# Altium PCB RFAutoMaTE ASCII.PcbDoc (part 1 of 2)
Units mm, origin at the board's own origin, x right, y up, seen from the top; angles counter-clockwise.
Board outline 96.9 x 242.82 mm, 2 copper layers (Top Layer, Bottom Layer); 213 components, 21 nets, 545 pads, 10 vias.
Unrouted connection lines stored in the file: 16.
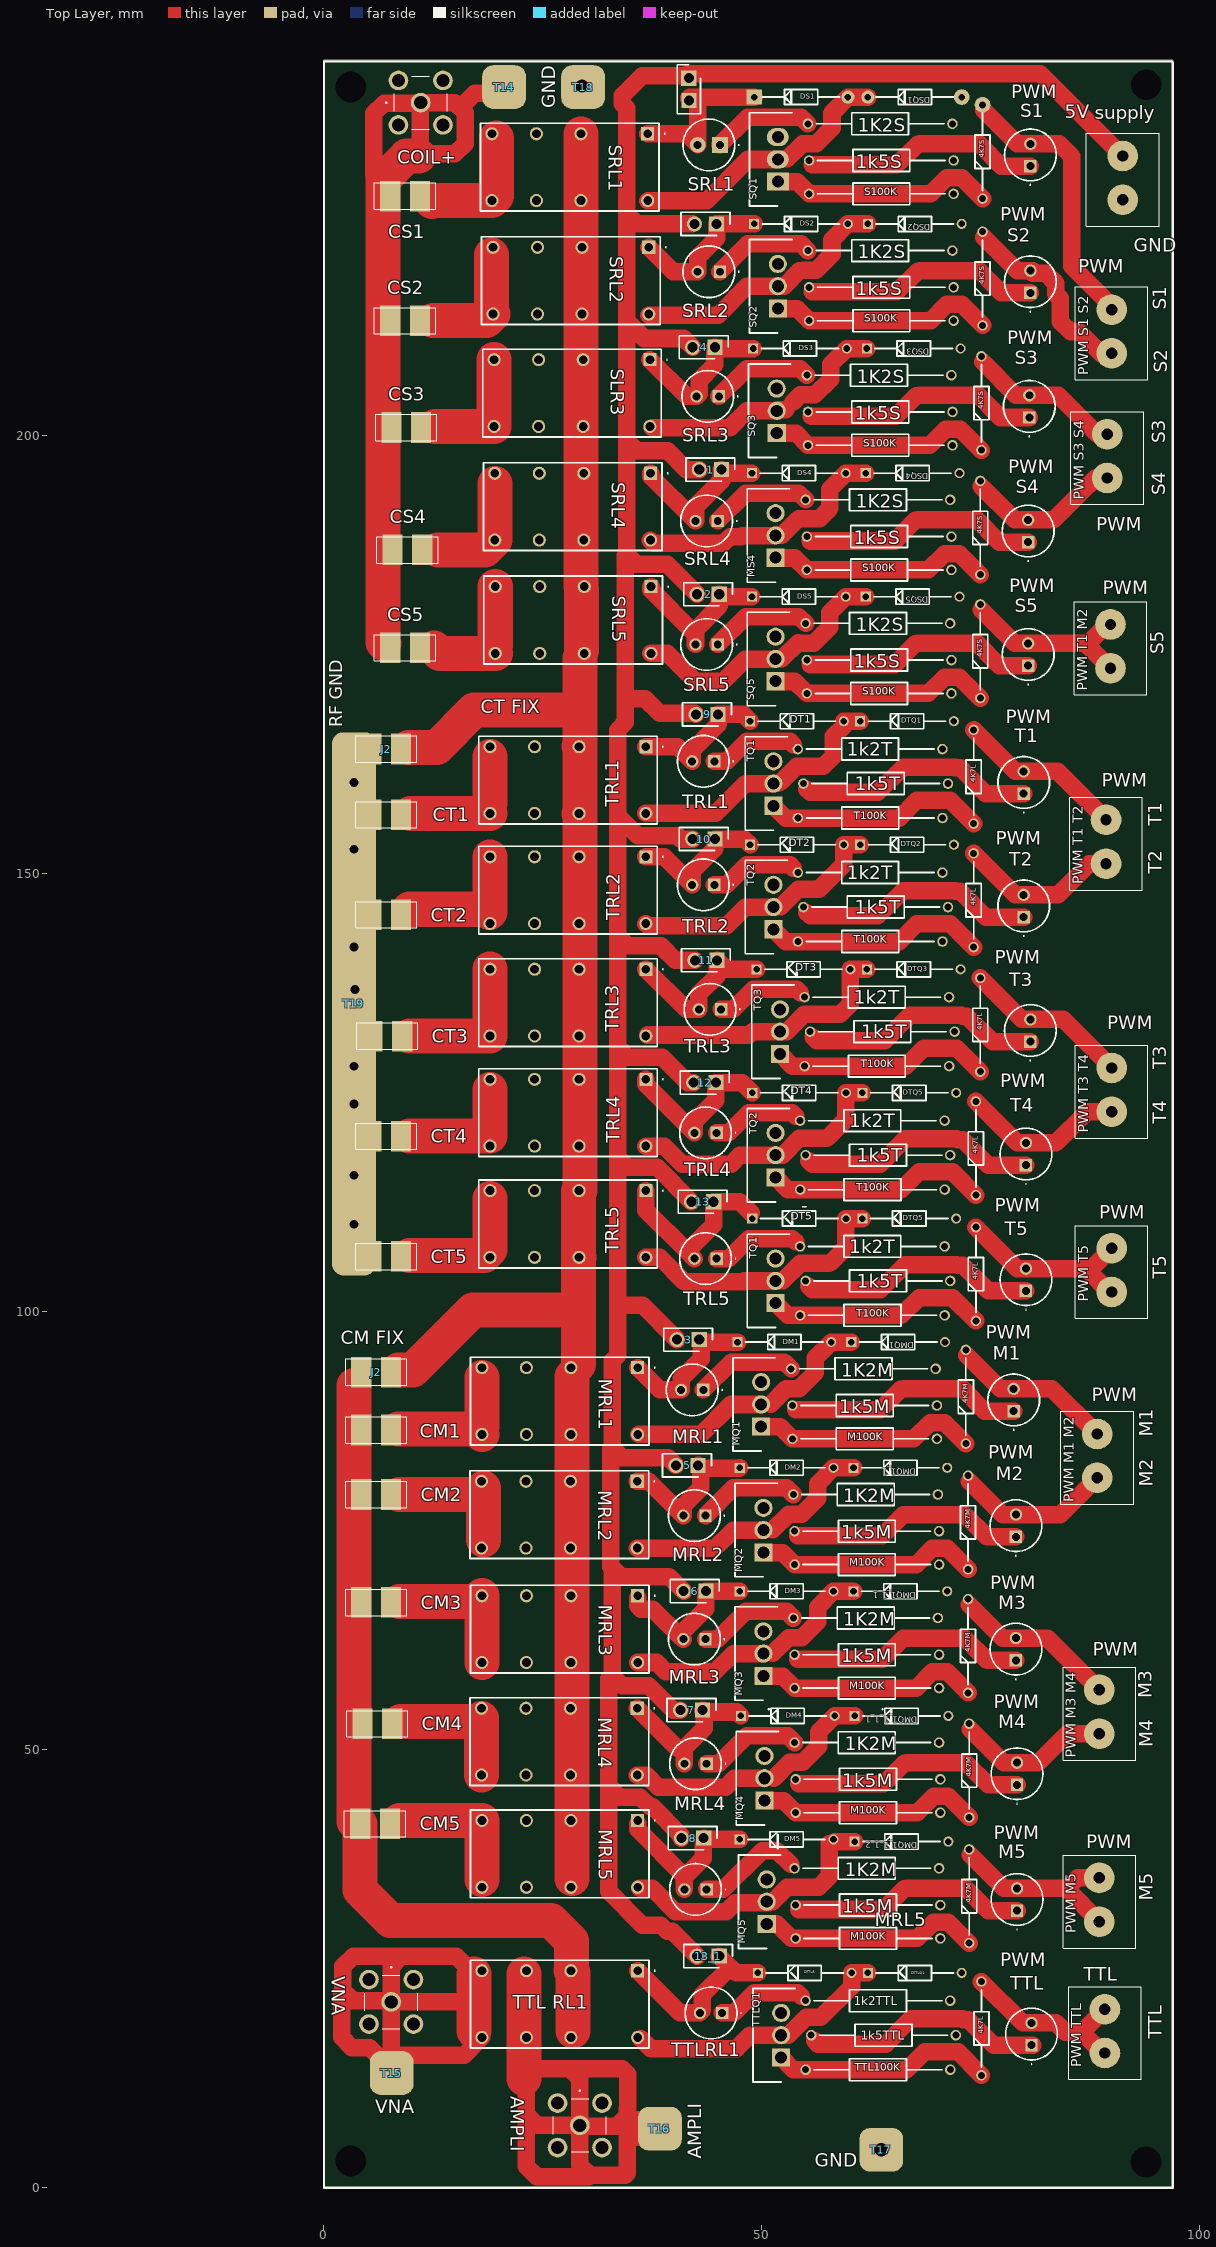
[diagram p0: Top Layer view]
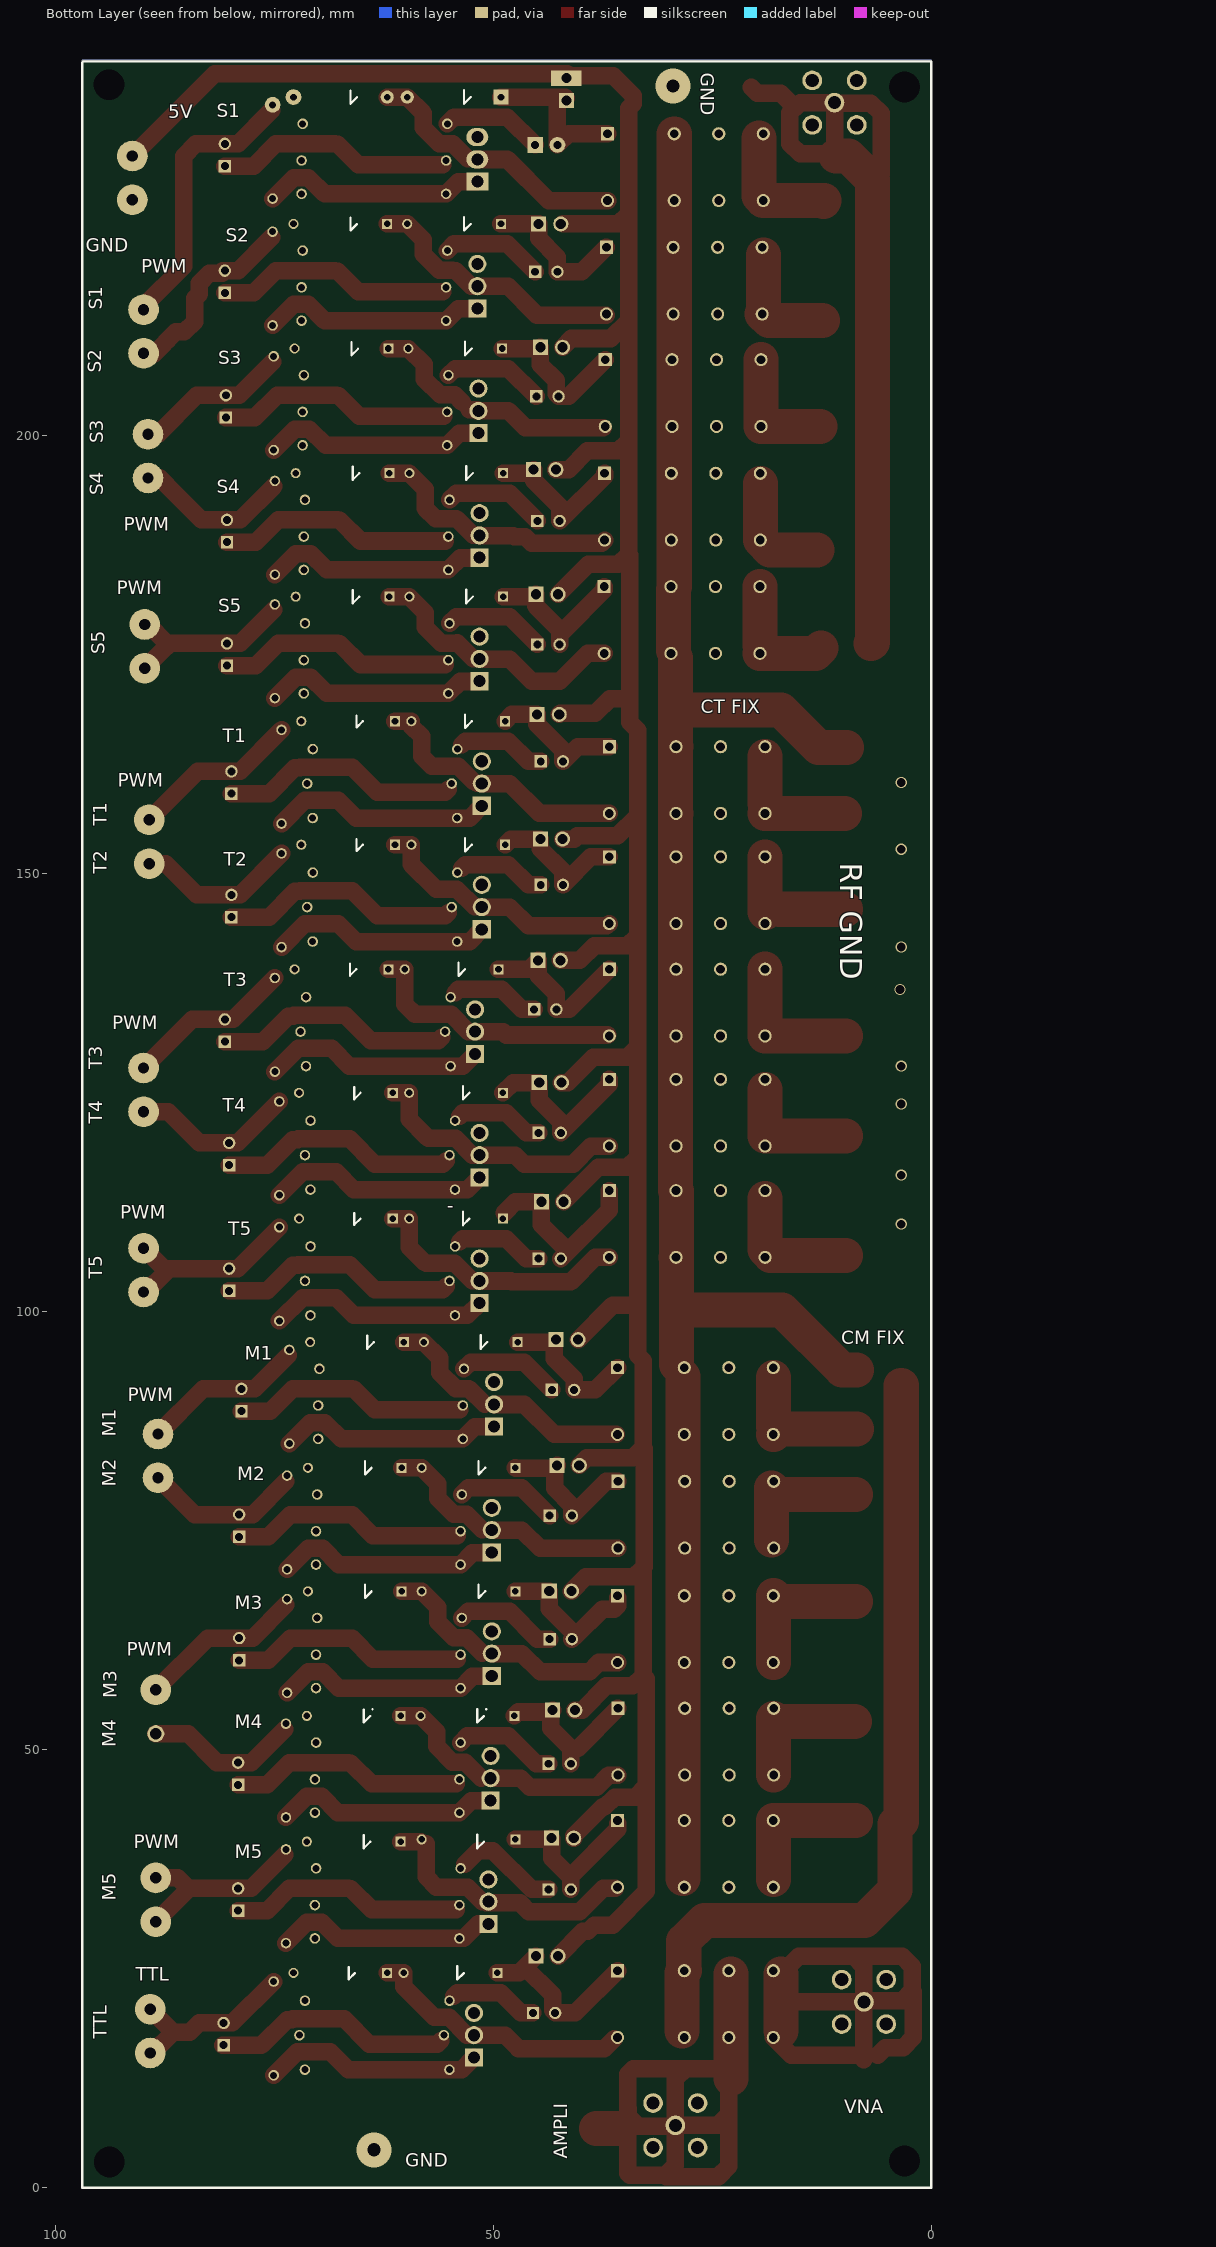
[diagram p1: Bottom Layer view, seen from below]

## Layer stack, top to bottom
Top Solder: solder mask 0.0102, Solder Resist, Dk 3.5
Top Layer: signal copper 0.0356
Dielectric 1: dielectric 0.32, FR-4, Dk 4.8
Bottom Layer: signal copper 0.0356
Bottom Solder: solder mask 0.0102, Solder Resist, Dk 3.5

## Board outline
0,0 96.901,0 96.901,242.824 0,242.824

## Design rules (kind name [scope] priority, off if disabled: settings)
AssemblyTestPointUsage [All] p0: scope1count=1 scope1_0_kind=Board scope1_0_value=Board scope2count=1 scope2_0_kind=Board scope2_0_value=Board commentlength=0
AssemblyTestpoint [All] p0: scope1count=1 scope1_0_kind=Board scope1_0_value=Board scope2count=1 scope2_0_kind=Board scope2_0_value=Board commentlength=0
Clearance [All] p0: scope1count=1 scope1_0_kind=Board scope1_0_value=Board scope2count=1 scope2_0_kind=Board scope2_0_value=Board commentlength=0 gap=0.254
Clearance [All] p1: gap=0.254 ignorepadtopadclearanceinfootprint=FALSE except(0: Arc-Hole Track-Hole SMDPad-Hole THPad-Hole Via-Hole Fill-Hole Poly-Hole Region-Hole Text-Hole)
ComponentClearance [All] p0: scope1count=1 scope1_0_kind=Board scope1_0_value=Board scope2count=1 scope2_0_kind=Board scope2_0_value=Board commentlength=0 gap=0.254 collisioncheckmode=3
DiffPairsRouting [All] p0: scope1count=1 scope1_0_kind=Board scope1_0_value=Board scope2count=1 scope2_0_kind=Board scope2_0_value=Board commentlength=0
FabricationTestPointUsage [All] p0: scope1count=1 scope1_0_kind=Board scope1_0_value=Board scope2count=1 scope2_0_kind=Board scope2_0_value=Board commentlength=0 valid=0 allowmultiple=FALSE
FabricationTestpoint [All] p0: scope1count=1 scope1_0_kind=Board scope1_0_value=Board scope2count=1 scope2_0_kind=Board scope2_0_value=Board commentlength=0 side=3 testpointundercomponent=TRUE minsize=1.016 maxsize=2.54 preferedsize=1.524 minholesize=0 maxholesize=1.016 preferedholesize=0.813 testpointgrid=0.025
FanoutControl Fanout_BGA [All] p0 off: scope1count=1 scope1_0_kind=Board scope1_0_value=Board scope2count=1 scope2_0_kind=Board scope2_0_value=Board commentlength=69 // Protel DXP Scope 1 Expression Was: IsBGA   Fanout_BGA (Default Rule)
FanoutControl Fanout_LCC [All] p0 off: scope1count=1 scope1_0_kind=Board scope1_0_value=Board scope2count=1 scope2_0_kind=Board scope2_0_value=Board commentlength=69 // Protel DXP Scope 1 Expression Was: IsLCC   Fanout_LCC (Default Rule)
FanoutControl Fanout_SOIC [All] p0 off: scope1count=1 scope1_0_kind=Board scope1_0_value=Board scope2count=1 scope2_0_kind=Board scope2_0_value=Board commentlength=71 // Protel DXP Scope 1 Expression Was: IsSOIC   Fanout_SOIC (Default Rule)
FanoutControl Fanout_Small [All] p0 off: scope1count=1 scope1_0_kind=Board scope1_0_value=Board scope2count=1 scope2_0_kind=Board scope2_0_value=Board commentlength=84 // Protel DXP Scope 1 Expression Was: (CompPinCount < 5)   Fanout_Small (Default Rule)
FanoutControl Fanout_Default [All] p0: scope1count=1 scope1_0_kind=Board scope1_0_value=Board scope2count=1 scope2_0_kind=Board scope2_0_value=Board commentlength=30 // Fanout_Default (Default Rule)
Height [All] p0: scope1count=1 scope1_0_kind=Board scope1_0_value=Board scope2count=1 scope2_0_kind=Board scope2_0_value=Board commentlength=0
HoleSize [All] p0: scope1count=1 scope1_0_kind=Board scope1_0_value=Board scope2count=1 scope2_0_kind=Board scope2_0_value=Board commentlength=0 absolutevalues=TRUE maxlimit=2.54 minlimit=0.025 maxpercent=80.000 minpercent=20.000
HoleToHoleClearance [All] p0: scope1count=1 scope1_0_kind=Board scope1_0_value=Board scope2count=1 scope2_0_kind=Board scope2_0_value=Board commentlength=0
LayerPairs [All] p0: scope1count=1 scope1_0_kind=Board scope1_0_value=Board scope2count=1 scope2_0_kind=Board scope2_0_value=Board commentlength=0 enforce=TRUE
MinimumSolderMaskSliver [All] p0: scope1count=1 scope1_0_kind=Board scope1_0_value=Board scope2count=1 scope2_0_kind=Board scope2_0_value=Board commentlength=0
NetAntennae [All] p0: scope1count=1 scope1_0_kind=Board scope1_0_value=Board scope2count=1 scope2_0_kind=Board scope2_0_value=Board commentlength=0
PasteMaskExpansion [All] p0: scope1count=1 scope1_0_kind=Board scope1_0_value=Board scope2count=1 scope2_0_kind=Board scope2_0_value=Board commentlength=0 expansion=0
PlaneClearance [All] p0: scope1count=1 scope1_0_kind=Board scope1_0_value=Board scope2count=1 scope2_0_kind=Board scope2_0_value=Board commentlength=0 clearance=0.508
PlaneConnect [All] p0: scope1count=1 scope1_0_kind=Board scope1_0_value=Board scope2count=1 scope2_0_kind=Board scope2_0_value=Board commentlength=0 planeconnectstyle=Relief reliefexpansion=0.508 reliefentries=4 reliefconductorwidth=0.254 reliefairgap=0.254
PolygonConnect [All] p0: scope1count=1 scope1_0_kind=Board scope1_0_value=Board scope2count=1 scope2_0_kind=Board scope2_0_value=Board commentlength=0 connectstyle=Direct reliefconductorwidth=0.254 reliefentries=4 polygonreliefangle="90 Angle"
PolygonConnect [All] p1: connectstyle=Direct reliefconductorwidth=0.254 reliefentries=4 polygonreliefangle="90 Angle" airgapwidth=0.254
RoutingCorners [All] p0: scope1count=1 scope1_0_kind=Board scope1_0_value=Board scope2count=1 scope2_0_kind=Board scope2_0_value=Board commentlength=0 cornerstyle=45-Degree minsetback=2.54 maxsetback=2.54
RoutingLayers [All] p0: scope1count=1 scope1_0_kind=Board scope1_0_value=Board scope2count=1 scope2_0_kind=Board scope2_0_value=Board commentlength=0 top layer=Automatic bottom layer=Automatic
RoutingPriority [All] p0: scope1count=1 scope1_0_kind=Board scope1_0_value=Board scope2count=1 scope2_0_kind=Board scope2_0_value=Board commentlength=0
RoutingTopology [All] p0: scope1count=1 scope1_0_kind=Board scope1_0_value=Board scope2count=1 scope2_0_kind=Board scope2_0_value=Board commentlength=0 topology=Shortest
RoutingVias [All] p0: scope1count=1 scope1_0_kind=Board scope1_0_value=Board scope2count=1 scope2_0_kind=Board scope2_0_value=Board commentlength=0 holewidth=0.711 width=2 viastyle="Through Hole" minholewidth=0 minwidth=1.27 maxholewidth=1 maxwidth=3
RoutingVias [All] p1: holewidth=0.711 width=2 viastyle="Through Hole" minholewidth=0 minwidth=1.27 maxholewidth=1 maxwidth=3
ShortCircuit [All] p0: scope1count=1 scope1_0_kind=Board scope1_0_value=Board scope2count=1 scope2_0_kind=Board scope2_0_value=Board commentlength=0 allowed=FALSE
SilkToBoardRegionClearance [All] p0: scope1count=1 scope1_0_kind=Board scope1_0_value=Board scope2count=1 scope2_0_kind=Board scope2_0_value=Board commentlength=0
SilkToSilkClearance [All] p0: scope1count=1 scope1_0_kind=Board scope1_0_value=Board scope2count=1 scope2_0_kind=Board scope2_0_value=Board commentlength=0
SilkToSolderMaskClearance [All] p0 off: scope1count=1 scope1_0_kind=Board scope1_0_value=Board scope2count=1 scope2_0_kind=Board scope2_0_value=Board commentlength=44 // Protel DXP Scope 1 Expression Was: IsPad
SolderMaskExpansion [All] p0: scope1count=1 scope1_0_kind=Board scope1_0_value=Board scope2count=1 scope2_0_kind=Board scope2_0_value=Board commentlength=0 expansion=0.102
SolderMaskExpansion [All] p1: expansion=0.102 istentingtop=FALSE
UnRoutedNet [All] p0: scope1count=1 scope1_0_kind=Board scope1_0_value=Board scope2count=1 scope2_0_kind=Board scope2_0_value=Board commentlength=0
UnpouredPolygon [All] p0: scope1count=1 scope1_0_kind=Board scope1_0_value=Board scope2count=1 scope2_0_kind=Board scope2_0_value=Board commentlength=0
Width [All] p0: scope1count=1 scope1_0_kind=Board scope1_0_value=Board scope2count=1 scope2_0_kind=Board scope2_0_value=Board commentlength=0 maxlimit=6 minlimit=0.254 preferedwidth=3
Width [All] p1: maxlimit=6 minlimit=0.254 preferedwidth=3 toplayer_maxwidth=4.5 toplayer_prefwidth=2 minimp=50.000000 maximp=50.000000 favimp=50.000000
30 further rules are at their usual default settings.

## Classes and differential pairs
component class AUTOTUNE: ac/dc1 Ampli1 coil PMW
component class AUTOTUNE_5S5M5T: 1k2T 1k5M 1k5T M100K PWM "PWM M1 M2" supply T100K TRL1

## Components (designator, comment, footprint, x,y, rotation, side; value= is the part's Value field where it differs from the comment)
1 "251-8086" HDRV2W66P0X254_1X2_508X254X874P#1 45.385,196.105 r180 top (schematic designator J2)
1K2M "" RESAD1650W60L650D250 53.721,36.449 r0 top
1K2M "" RESAD1650W60L650D250 53.721,50.8 r0 top
1K2M "" RESAD1650W60L650D250 53.594,65.024 r0 top
1K2M "" RESAD1650W60L650D250 53.594,79.121 r0 top
1K2M "" RESAD1650W60L650D250 53.34,93.472 r0 top
1K2S "" RESAD1650W60L650D250 55.245,235.585 r0 top (schematic designator 1K2M)
1K2S "" RESAD1650W60L650D250 54.991,178.562 r0 top (schematic designator 1K2M)
1K2S "" RESAD1650W60L650D250 54.991,192.659 r0 top (schematic designator 1K2M)
1K2S "" RESAD1650W60L650D250 55.118,206.883 r0 top (schematic designator 1K2M)
1K2S "" RESAD1650W60L650D250 55.245,221.107 r0 top (schematic designator 1K2M)
1k2T "" RESAD1650W60L650D250 54.356,107.442 r0 top
1k2T "" RESAD1650W60L650D250 54.356,121.793 r0 top
1k2T "" RESAD1650W60L650D250 54.864,135.89 r0 top
1k2T "" RESAD1650W60L650D250 54.102,150.114 r0 top
1k2T "" RESAD1650W60L650D250 54.102,164.211 r0 top
1k2TTL "" RESAD1650W60L650D250 54.991,21.336 r0 top (schematic designator 1k2T)
1k5M "" RESAD1650W60L650D250 53.858,32.258 r0 top
1k5M "" RESAD1650W60L650D250 53.858,46.609 r0 top
1k5M "" RESAD1650W60L650D250 53.731,60.833 r0 top
1k5M "" RESAD1650W60L650D250 53.731,74.93 r0 top
1k5M "" RESAD1650W60L650D250 53.477,89.281 r0 top
1k5S "" RESAD1650W60L650D250 55.128,174.371 r0 top (schematic designator 1k5M)
1k5S "" RESAD1650W60L650D250 55.128,188.468 r0 top (schematic designator 1k5M)
1k5S "" RESAD1650W60L650D250 55.255,202.692 r0 top (schematic designator 1k5M)
1k5S "" RESAD1650W60L650D250 55.382,216.916 r0 top (schematic designator 1k5M)
1k5S "" RESAD1650W60L650D250 55.382,231.394 r0 top (schematic designator 1k5M)
1k5T "" RESAD1650W60L650D250 54.991,103.505 r0 top
1k5T "" RESAD1650W60L650D250 54.991,117.856 r0 top
1k5T "" RESAD1650W60L650D250 55.499,131.953 r0 top
1k5T "" RESAD1650W60L650D250 54.737,146.177 r0 top
1k5T "" RESAD1650W60L650D250 54.737,160.274 r0 top
1k5TTL "" RESAD1650W60L650D250 55.626,17.399 r0 top (schematic designator 1k5T)
2 "251-8086" HDRV2W66P0X254_1X2_508X254X874P#1 45.131,181.881 r180 top (schematic designator J2)
3 "251-8086" HDRV2W66P0X254_1X2_508X254X874P#1 42.845,96.791 r180 top (schematic designator J2)
4 "251-8086" HDRV2W66P0X254_1X2_508X254X874P#1 44.623,210.075 r180 top (schematic designator J2)
4K7L "" DIOAD1068W53L380D172#1 75.057,12.827 r90 top (schematic designator DTQ1)
4K7L "" DIOAD1068W53L380D172#1 74.422,98.933 r90 top (schematic designator DTQ1)
4K7L "" DIOAD1068W53L380D172#1 74.422,113.284 r90 top (schematic designator DTQ1)
4K7L "" DIOAD1068W53L380D172#1 74.93,127.381 r90 top (schematic designator DTQ1)
4K7L "" DIOAD1068W53L380D172#1 74.168,141.605 r90 top (schematic designator DTQ1)
4K7L "" DIOAD1068W53L380D172#1 74.168,155.702 r90 top (schematic designator DTQ1)
4K7M "" DIOAD1068W53L380D172#1 73.66,27.908 r90 top (schematic designator DTQ1)
4K7M "" DIOAD1068W53L380D172#1 73.66,42.259 r90 top (schematic designator DTQ1)
4K7M "" DIOAD1068W53L380D172#1 73.533,56.483 r90 top (schematic designator DTQ1)
4K7M "" DIOAD1068W53L380D172#1 73.533,70.58 r90 top (schematic designator DTQ1)
4K7M "" DIOAD1068W53L380D172#1 73.279,84.931 r90 top (schematic designator DTQ1)
4K7S "" DIOAD1068W53L380D172#1 74.93,170.021 r90 top (schematic designator DTQ1)
4K7S "" DIOAD1068W53L380D172#1 74.93,184.118 r90 top (schematic designator DTQ1)
4K7S "" DIOAD1068W53L380D172#1 75.057,198.342 r90 top (schematic designator DTQ1)
4K7S "" DIOAD1068W53L380D172#1 75.184,212.566 r90 top (schematic designator DTQ1)
4K7S "" DIOAD1068W53L380D172#2 75.184,227.044 r90 top (schematic designator DTQ1)
5 "251-8086" HDRV2W66P0X254_1X2_508X254X874P#1 42.718,82.44 r180 top (schematic designator J2)
6 "251-8086" HDRV2W66P0X254_1X2_508X254X874P#1 43.607,68.089 r180 top (schematic designator J2)
7 "251-8086" HDRV2W66P0X254_1X2_508X254X874P#1 43.226,54.5 r180 top (schematic designator J2)
8 "251-8086" HDRV2W66P0X254_1X2_508X254X874P#1 43.353,39.895 r180 top (schematic designator J2)
9 "251-8086" HDRV2W66P0X254_1X2_508X254X874P#1 45.004,168.165 r180 top (schematic designator J2)
10 "251-8086" HDRV2W66P0X254_1X2_508X254X874P#1 44.623,153.941 r180 top (schematic designator J2)
11 "251-8086" HDRV2W66P0X254_1X2_508X254X874P#1 44.877,140.098 r180 top (schematic designator J2)
12 "251-8086" HDRV2W66P0X254_1X2_508X254X874P#1 44.75,126.128 r180 top (schematic designator J2)
13 "251-8086" HDRV2W66P0X254_1X2_508X254X874P#1 44.496,112.539 r180 top (schematic designator J2)
13_1 "251-8086" HDRV2W66P0X254_1X2_508X254X874P#1 45.131,26.433 r180 top (schematic designator J2)
AMPLI "73251-3140" 732513140 29.21,7.112 r270 top (schematic designator J?)
CM1 "009296001202806" 009296001202806 5.969,86.487 r270 top (schematic designator J2)
CM2 "009296001202806" 009296001202806 5.969,79.121 r270 top (schematic designator J2)
CM3 "009296001202806" 009296001202806 5.969,66.802 r270 top (schematic designator J2)
CM4 "009296001202806" 009296001202806 6.096,52.959 r270 top (schematic designator J2)
CM5 "009296001202806" 009296001202806 5.842,41.529 r270 top (schematic designator J2)
COIL+ "73251-3140" 732513140 11.049,237.998 r0 top (schematic designator J?)
CS1 "009296001202806" 009296001202806 9.271,227.33 r270 top (schematic designator J2)
CS2 "009296001202806" 009296001202806 9.271,213.106 r270 top (schematic designator J2)
CS3 "009296001202806" 009296001202806 9.398,200.914 r270 top (schematic designator J2)
CS4 "009296001202806" 009296001202806 9.525,186.944 r270 top (schematic designator J2)
CS5 "009296001202806" 009296001202806 9.271,175.768 r270 top (schematic designator J2)
CT1 "009296001202806" 009296001202806 7.112,156.718 r270 top (schematic designator J2)
CT2 "009296001202806" 009296001202806 7.112,145.288 r270 top (schematic designator J2)
CT3 "009296001202806" 009296001202806 7.239,131.445 r270 top (schematic designator J2)
CT4 "009296001202806" 009296001202806 7.112,120.015 r270 top (schematic designator J2)
CT5 "009296001202806" 009296001202806 7.112,106.299 r270 top (schematic designator J2)
DM1 "" DIOAD1068W53L380D172#3 47.212,96.52 r0 top
DM2 "" DIOAD1068W53L380D172#3 47.466,82.169 r0 top (schematic designator DM1)
DM3 "" DIOAD1068W53L380D172#3 47.466,68.072 r0 top (schematic designator DM1)
DM4 "" DIOAD1068W53L380D172#3 47.593,53.848 r0 top (schematic designator DM1)
DM5 "" DIOAD1068W53L380D172#3 47.466,39.751 r0 top (schematic designator DM1)
DMQ1 "" DIOAD1068W53L380D172#3 60.198,96.52 r0 top
DMQ1_1 "" DIOAD1068W53L380D172#3 60.452,82.169 r0 top (schematic designator DMQ1)
DMQ1_1_1 "" DIOAD1068W53L380D172#3 60.452,68.072 r0 top (schematic designator DMQ1)
DMQ1_1_1_1 "" DIOAD1068W53L380D172#3 60.579,53.848 r0 top (schematic designator DMQ1)
DMQ1_1_1_2 "" DIOAD1068W53L380D172#3 60.579,39.497 r0 top (schematic designator DMQ1)
DS1 "" DIOAD1068W53L380D172#4 49.117,238.633 r0 top (schematic designator DM1)
DS2 "" DIOAD1068W53L380D172#3 49.117,224.155 r0 top (schematic designator DM1)
DS3 "" DIOAD1068W53L380D172#3 48.99,209.931 r0 top (schematic designator DM1)
DS4 "" DIOAD1068W53L380D172#3 48.863,195.707 r0 top (schematic designator DM1)
DS5 "" DIOAD1068W53L380D172#3 48.863,181.61 r0 top (schematic designator DM1)
DSQ1 "" DIOAD1068W53L380D172#5 62.103,238.633 r0 top (schematic designator DMQ1)
DSQ2 "" DIOAD1068W53L380D172#3 62.103,224.155 r0 top (schematic designator DMQ1)
DSQ3 "" DIOAD1068W53L380D172#3 61.976,209.931 r0 top (schematic designator DMQ1)
DSQ4 "" DIOAD1068W53L380D172#3 61.849,195.707 r0 top (schematic designator DMQ1)
DSQ5 "" DIOAD1068W53L380D172#3 61.849,181.61 r0 top (schematic designator DMQ1)
DT1 "" DIOAD1068W53L380D172#3 48.641,167.386 r0 top
DT2 "" DIOAD1068W53L380D172#3 48.641,153.289 r0 top (schematic designator DT1)
DT3 "" DIOAD1068W53L380D172#3 49.403,139.065 r0 top (schematic designator DT1)
DT4 "" DIOAD1068W53L380D172#3 48.895,124.968 r0 top (schematic designator DT1)
DT5 "" DIOAD1068W53L380D172#3 48.895,110.617 r0 top (schematic designator DT1)
DTQ1 "" DIOAD1068W53L380D172#3 61.214,167.386 r0 top
DTQ2 "" DIOAD1068W53L380D172#3 61.214,153.289 r0 top (schematic designator DTQ1)
DTQ3 "" DIOAD1068W53L380D172#3 61.976,139.065 r0 top (schematic designator DTQ1)
DTQ5 "" DIOAD1068W53L380D172#3 61.468,110.617 r0 top (schematic designator DTQ1)
DTQ5 "" DIOAD1068W53L380D172#3 61.468,124.968 r0 top (schematic designator DTQ1)
DTTL5 "" DIOAD1068W53L380D172#3 49.53,24.511 r0 top (schematic designator DT1)
DTTLQ1 "" DIOAD1068W53L380D172#3 62.103,24.511 r0 top (schematic designator DTQ1)
J2 "009296001202806" 009296001202806 7.112,164.211 r270 top
J2 "009296001202806" 009296001202806 5.969,93.091 r270 top
J2 "251-8086" HDRV2W66P0X254_1X2_508X254X874P#1 44.831,224.155 r180 top
J2 "251-8086" HDRV2W66P0X254_1X2_508X254X874P#2 41.656,240.792 r270 top
M100K "" RESAD1650W60L650D250 70.358,28.448 r180 top
M100K "" RESAD1650W60L650D250 70.358,42.799 r180 top
M100K "" RESAD1650W60L650D250 70.231,57.023 r180 top
M100K "" RESAD1650W60L650D250 70.231,71.12 r180 top
M100K "" RESAD1650W60L650D250 69.977,85.471 r180 top
MQ1 "" TO254P483X1016X2223-3P#1 49.911,86.868 r90 top
MQ2 "" TO254P483X1016X2223-3P#1 50.165,72.517 r90 top (schematic designator MQ1)
MQ3 "" TO254P483X1016X2223-3P#1 50.165,58.42 r90 top (schematic designator MQ1)
MQ4 "" TO254P483X1016X2223-3P#1 50.292,44.196 r90 top (schematic designator MQ1)
MQ5 "" TO254P483X1016X2223-3P#1 50.546,30.099 r90 top (schematic designator MQ1)
MRL1 "" G5V2DC3 35.814,93.599 r180 top
MRL1 "L53GD" L53GD#1 43.307,91.059 r270 top (schematic designator LEDmatching)
MRL2 "L53GD" L53GD#1 43.561,76.708 r270 top (schematic designator LEDmatching)
MRL2 "" G5V2DC3 35.768,80.628 r180 top (schematic designator MRL1)
MRL3 "L53GD" L53GD#1 43.561,62.611 r270 top (schematic designator LEDmatching)
MRL3 "" G5V2DC3 35.814,67.564 r180 top (schematic designator MRL1)
MRL4 "L53GD" L53GD#1 43.688,48.387 r270 top (schematic designator LEDmatching)
MRL4 "" G5V2DC3 35.768,54.72 r180 top (schematic designator MRL1)
MRL5 "L53GD" L53GD#1 43.688,34.036 r270 top (schematic designator LEDmatching)
MRL5 "" G5V2DC3 35.814,41.91 r180 top (schematic designator MRL1)
MS4 "" TO254P483X1016X2223-3P#1 51.562,186.055 r90 top (schematic designator MQ1)
PWM "L53GD" L53GD#1 80.772,16.256 r180 top (schematic designator "LED PWM TUN")
PWM "L53GD" L53GD#1 80.391,173.736 r180 top (schematic designator "LED PWM MAT")
PWM "L53GD" L53GD#1 80.391,187.833 r180 top (schematic designator "LED PWM MAT")
PWM "L53GD" L53GD#1 80.518,202.057 r180 top (schematic designator "LED PWM MAT")
PWM "L53GD" L53GD#1 80.645,216.281 r180 top (schematic designator "LED PWM MAT")
PWM "L53GD" L53GD#1 80.645,230.759 r180 top (schematic designator "LED PWM MAT")
PWM "L53GD" L53GD#1 79.121,31.623 r180 top (schematic designator "LED PWM MAT")
PWM "L53GD" L53GD#1 79.121,45.974 r180 top (schematic designator "LED PWM MAT")
PWM "L53GD" L53GD#1 78.994,60.198 r180 top (schematic designator "LED PWM MAT")
PWM "L53GD" L53GD#1 78.994,74.295 r180 top (schematic designator "LED PWM MAT")
PWM "L53GD" L53GD#1 80.137,102.362 r180 top (schematic designator "LED PWM TUN")
PWM "L53GD" L53GD#1 80.137,116.713 r180 top (schematic designator "LED PWM TUN")
PWM "L53GD" L53GD#1 80.645,130.81 r180 top (schematic designator "LED PWM TUN")
PWM "L53GD" L53GD#1 79.883,145.034 r180 top (schematic designator "LED PWM TUN")
PWM "L53GD" L53GD#1 79.883,159.131 r180 top (schematic designator "LED PWM TUN")
PWM "L53GD" L53GD#1 78.74,88.646 r180 top (schematic designator "LED PWM MAT")
"PWM M1 M2" "691213710002" 691213710002#1 88.265,81.026 r90 top (schematic designator pwm)
"PWM M3 M4" "691213710002" 691213710002#2 88.519,51.816 r90 top (schematic designator pwm)
"PWM M5" "691213710002" 691213710002#1 88.519,30.353 r90 top (schematic designator pwm)
"PWM S1 S2" "691213710002" 691213710002#3 89.916,209.376 r90 top (schematic designator pwm)
"PWM S3 S4" "691213710002" 691213710002#1 89.408,195.152 r90 top (schematic designator pwm)
"PWM T1 M2" "691213710002" 691213710002#3 89.789,173.435 r90 top (schematic designator pwm)
"PWM T1 T2" "691213710002" 691213710002#1 89.281,151.13 r90 top (schematic designator pwm)
"PWM T3 T4" "691213710002" 691213710002#1 89.916,122.809 r90 top (schematic designator pwm)
"PWM T5" "691213710002" 691213710002#1 89.916,102.235 r90 top (schematic designator pwm)
"PWM TTL" "691213710002" 691213710002#1 89.154,15.367 r90 top (schematic designator pwm)
S100K "" RESAD1650W60L650D250 71.628,170.561 r180 top (schematic designator M100K)
S100K "" RESAD1650W60L650D250 71.628,184.658 r180 top (schematic designator M100K)
S100K "" RESAD1650W60L650D250 71.755,198.882 r180 top (schematic designator M100K)
S100K "" RESAD1650W60L650D250 71.882,213.106 r180 top (schematic designator M100K)
S100K "" RESAD1650W60L650D250 71.882,227.584 r180 top (schematic designator M100K)
SLR3 "" G5V2DC3 37.211,208.661 r180 top (schematic designator MRL1)
SQ1 "" TO254P483X1016X2223-3P#2 51.816,228.981 r90 top (schematic designator MQ1)
SQ2 "" TO254P483X1016X2223-3P#1 51.816,214.503 r90 top (schematic designator MQ1)
SQ3 "" TO254P483X1016X2223-3P#1 51.689,200.279 r90 top (schematic designator MQ1)
SQ5 "" TO254P483X1016X2223-3P#1 51.562,171.958 r90 top (schematic designator MQ1)
SRL1 "L53GD" L53GD#2 45.212,233.172 r270 top (schematic designator LEDmatching)
SRL1 "" G5V2DC3 36.957,234.442 r180 top (schematic designator MRL1)
SRL2 "L53GD" L53GD#1 45.212,218.694 r270 top (schematic designator LEDmatching)
SRL2 "" G5V2DC3 37.084,221.488 r180 top (schematic designator MRL1)
SRL3 "L53GD" L53GD#1 45.085,204.47 r270 top (schematic designator LEDmatching)
SRL4 "L53GD" L53GD#1 44.958,190.246 r270 top (schematic designator LEDmatching)
SRL4 "" G5V2DC3 37.292,195.69 r180 top (schematic designator MRL1)
SRL5 "L53GD" L53GD#1 44.958,176.149 r270 top (schematic designator LEDmatching)
SRL5 "" G5V2DC3 37.338,182.753 r180 top (schematic designator MRL1)
supply "691213710002" 691213710002#4 91.186,226.902 r90 top
T14 "L1" "Terminal banana"#1 20.574,239.776 r180 top
T15 "L1" "Terminal banana"#1 7.747,13.081 r90 top (schematic designator T14)
T16 "L1" "Terminal banana"#1 38.354,6.731 r180 top (schematic designator T14)
T17 "L1" "Terminal banana"#1 63.627,4.318 r180 top (schematic designator T14)
T18 "L1" "Terminal banana"#1 29.591,239.776 r180 top (schematic designator T14)
T19 "L1" "Terminal banana"#2 3.429,135.128 r180 top (schematic designator T14)
T100K "" RESAD1650W60L650D250 70.866,99.568 r180 top
T100K "" RESAD1650W60L650D250 70.866,113.919 r180 top
T100K "" RESAD1650W60L650D250 71.374,128.016 r180 top
T100K "" RESAD1650W60L650D250 70.612,142.24 r180 top
T100K "" RESAD1650W60L650D250 70.612,156.337 r180 top
TQ1 "" TO254P483X1016X2223-3P#1 51.562,100.965 r90 top
TQ1 "" TO254P483X1016X2223-3P#1 51.308,157.734 r90 top
TQ2 "" TO254P483X1016X2223-3P#1 51.562,115.316 r90 top (schematic designator TQ1)
TQ2 "" TO254P483X1016X2223-3P#1 51.308,143.637 r90 top (schematic designator TQ1)
TQ3 "" TO254P483X1016X2223-3P#1 52.07,129.413 r90 top (schematic designator TQ1)
TRL1 "" G5V2DC3 36.749,164.482 r180 top
TRL1 "L53GD" L53GD#1 44.577,162.814 r270 top (schematic designator "LED tuning")
TRL2 "L53GD" L53GD#1 44.577,148.717 r270 top (schematic designator "LED tuning")
TRL2 "" G5V2DC3 36.749,151.909 r180 top (schematic designator TRL1)
TRL3 "L53GD" L53GD#1 45.339,134.493 r270 top (schematic designator "LED tuning")
TRL3 "" G5V2DC3 36.749,139.082 r180 top (schematic designator TRL1)
TRL4 "L53GD" L53GD#1 44.831,120.396 r270 top (schematic designator "LED tuning")
TRL4 "" G5V2DC3 36.749,126.509 r180 top (schematic designator TRL1)
TRL5 "L53GD" L53GD#1 44.831,106.045 r270 top (schematic designator "LED tuning")
TRL5 "" G5V2DC3 36.749,113.809 r180 top (schematic designator TRL1)
TTL100K "" RESAD1650W60L650D250 71.501,13.462 r180 top (schematic designator T100K)
"TTL RL1" "" G5V2DC3 35.814,24.765 r180 top (schematic designator TRL1)
TTLQ1 "" TO254P483X1016X2223-3P#1 52.197,14.859 r90 top (schematic designator TQ1)
TTLRL1 "L53GD" L53GD#1 45.466,19.939 r270 top (schematic designator "LED tuning")
VNA "73251-3140" 732513140 7.683,21.205 r270 top (schematic designator J?)

## Footprints (in the part's own frame and the unit in brackets; to place one, negate y for a bottom-side part, rotate by r counter-clockwise, add the part's x,y. Pads: shape width x height; smd on the part's side, far side on the other; paste and mask are expansions set on the pad)
732513140 [mm]
  round 2.25 hole 1.5: 1(0,0) 2(2.54,-2.54) 3(2.54,2.54) 4(-2.54,2.54) 5(-2.54,-2.54)
  silkscreen extent -4,-3.04 3.04,3.04
691213710002#1 [mm]
  round 3.5 hole 1.3: 1(0,0) 2(5,0)
  silkscreen extent -3.02,-4.15 7.58,4.15
691213710002#2 [mm]
  round 3.5 / inner round 1.95 / far side round 1.95 hole 1.3: 1(0,0)
  round 3.5 / inner round 1.95 / far side round 3.5 hole 1.3: 2(5,0)
  silkscreen extent -3.02,-4.15 7.58,4.15
691213710002#3 [mm]
  round 3.5 / inner round 1.95 / far side round 3.5 hole 1.3: 1(0,0)
  round 3.5 hole 1.3: 2(5,0)
  silkscreen extent -3.02,-4.15 7.58,4.15
691213710002#4 [mm]
  round 3.5 hole 1.3: 1(0,0)
  round 3.5 / inner round 1.95 / far side round 3.5 hole 1.3: 2(5,0)
  silkscreen extent -3.02,-4.15 7.58,4.15
009296001202806 [mm]
  rect 3.5x2.3 smd: 1(0,-1.7) 2(0,1.7)
  silkscreen extent -1.5,-3.5 1.5,3.5
DIOAD1068W53L380D172#1 [mm]
  round 1.2 hole 0.8: 1(0,0) 2(10.7,0)
  silkscreen extent 0.92,-0.86 9.77,0.86
DIOAD1068W53L380D172#2 [mm]
  round 1.2 hole 0.8: 1(0,0)
  round 1.8 hole 0.8: 2(10.7,0)
  silkscreen extent 0.92,-0.86 9.77,0.86
DIOAD1068W53L380D172#3 [mm]
  rect 1.15x1.15 hole 0.75: 1(0,0)
  round 1.15 hole 0.75: 2(10.7,0)
  silkscreen extent 0.92,-0.86 9.77,0.86
DIOAD1068W53L380D172#4 [mm]
  rect 1.75x1.75 hole 0.75: 1(0,0)
  round 1.5 hole 0.75: 2(10.7,0)
  silkscreen extent 0.92,-0.86 9.77,0.86
DIOAD1068W53L380D172#5 [mm]
  round 1.5 hole 0.75: 1(0,0)
  round 1.8 hole 0.75: 2(10.7,0)
  silkscreen extent 0.92,-0.86 9.77,0.86
G5V2DC3 [mm]
  rect 1.5x1.5 hole 1: 1(0,0)
  round 1.5 hole 1: 4(7.62,0) 6(12.7,0) 8(17.78,0) 9(17.78,7.62) 11(12.7,7.62) 13(7.62,7.62) 16(0,7.62)
  silkscreen extent -2,-1.2 19.08,8.82
HDRV2W66P0X254_1X2_508X254X874P#1 [mm]
  rect 1.725x1.725 hole 1.15: 1(0,0)
  round 1.725 hole 1.15: 2(2.54,0)
  silkscreen extent -1.52,-1.32 4.06,1.32
HDRV2W66P0X254_1X2_508X254X874P#2 [mm]
  rect 1.75x1.75 / inner rect 1.75x3.5 / far side rect 1.75x3.5 hole 1.15: 1(0,0)
  rect 1.725x1.725 hole 1.15: 2(2.54,0)
  silkscreen extent -1.52,-1.32 4.06,1.32
L53GD#1 [mm]
  rect 1.416x1.416 hole 0.91: 1(0,0)
  round 1.416 hole 0.91: 2(0,-2.54)
  silkscreen extent -2.95,-4.22 2.95,2.2
L53GD#2 [mm]
  rect 1.8x1.8 hole 0.91: 1(0,0)
  round 1.8 hole 0.91: 2(0,-2.54)
  silkscreen extent -2.95,-4.22 2.95,2.2
RESAD1650W60L650D250 [mm]
  round 1.2 hole 0.8: 1(0,0) 2(16.5,0)
  silkscreen extent 0.95,-1.25 15.55,1.25
"Terminal banana"#1 [mm]
  rrect50% 5x5 smd: 1(0,0)
"Terminal banana"#2 [mm]
  rrect50% 5x62 smd: 1(0,0)
TO254P483X1016X2223-3P#1 [mm]
  rect 2.07x2.07 hole 1.38: 1(0,0)
  round 2.07 hole 1.38: 2(2.54,0) 3(5.08,0)
  silkscreen extent -2.8,-1.61 7.88,3.22
TO254P483X1016X2223-3P#2 [mm]
  rect 2.07x2.5 hole 1.38: 1(0,0)
  oval 2.07x2.5 hole 1.38: 2(2.54,0) 3(5.08,0)
  silkscreen extent -2.8,-1.61 7.88,3.22

## Part data
1 2 3 4 5 6 7 8 9 10 11 12 13 13_1 AMPLI CM1 CM2 CM3 CM4 CM5 COIL+ CS1 CS2 CS3 CS4 CS5 CT1 CT2 CT3 CT4 CT5 J2 J2 J2 J2 "PWM M1 M2" "PWM M3 M4" "PWM M5" "PWM S1 S2" "PWM S3 S4" "PWM T1 M2" "PWM T1 T2" "PWM T3 T4" "PWM T5" "PWM TTL" supply VNA: "Connector"
1K2M 1K2M 1K2M 1K2M 1K2M 1K2S 1K2S 1K2S 1K2S 1K2S 1k2T 1k2T 1k2T 1k2T 1k2T 1k2TTL 1k5M 1k5M 1k5M 1k5M 1k5M 1k5S 1k5S 1k5S 1k5S 1k5S 1k5T 1k5T 1k5T 1k5T 1k5T 1k5TTL M100K M100K M100K M100K M100K S100K S100K S100K S100K S100K T100K T100K T100K T100K T100K TTL100K: library part MRS25000C1000FC100, "Resistor"
4K7L 4K7L 4K7L 4K7L 4K7L 4K7L 4K7M 4K7M 4K7M 4K7M 4K7M 4K7S 4K7S 4K7S 4K7S 4K7S DM1 DM2 DM3 DM4 DM5 DMQ1 DMQ1_1 DMQ1_1_1 DMQ1_1_1_1 DMQ1_1_1_2 DS1 DS2 DS3 DS4 DS5 DSQ1 DSQ2 DSQ3 DSQ4 DSQ5 DT1 DT2 DT3 DT4 DT5 DTQ1 DTQ2 DTQ3 DTQ5 DTQ5 DTTL5 DTTLQ1: library part 1N4148TA, "Diode"
MQ1 MQ2 MQ3 MQ4 MQ5 MS4 SQ1 SQ2 SQ3 SQ5 TQ1 TQ1 TQ2 TQ2 TQ3 TTLQ1: library part IRFZ44n, "Transistor"
MRL1 MRL2 MRL3 MRL4 MRL5 SLR3 SRL1 SRL2 SRL4 SRL5 TRL1 TRL2 TRL3 TRL4 TRL5 "TTL RL1": library part G5V-2-DC3, "Relay or Contactor"
MRL1 MRL2 MRL3 MRL4 MRL5 PWM PWM PWM PWM PWM PWM PWM PWM PWM PWM PWM PWM PWM PWM PWM PWM SRL1 SRL2 SRL3 SRL4 SRL5 TRL1 TRL2 TRL3 TRL4 TRL5 TTLRL1: "LED"
T14 T15 T16 T17 T18 T19: library part "Terminal banana"

## Free pads (board coordinates)
  round 1.524 hole 3.5 unplated: 8(3.048,3.048) 8(3.048,239.776) 8(93.844,2.921) 8(93.853,240.03)

## Via types
v1: diameter 1.27, hole 1, Top Layer to Bottom Layer, 8 vias
v2: diameter 4, hole 1.5, Top Layer to Bottom Layer, 2 vias